# Altium PCB pcb.PcbDoc (continued)
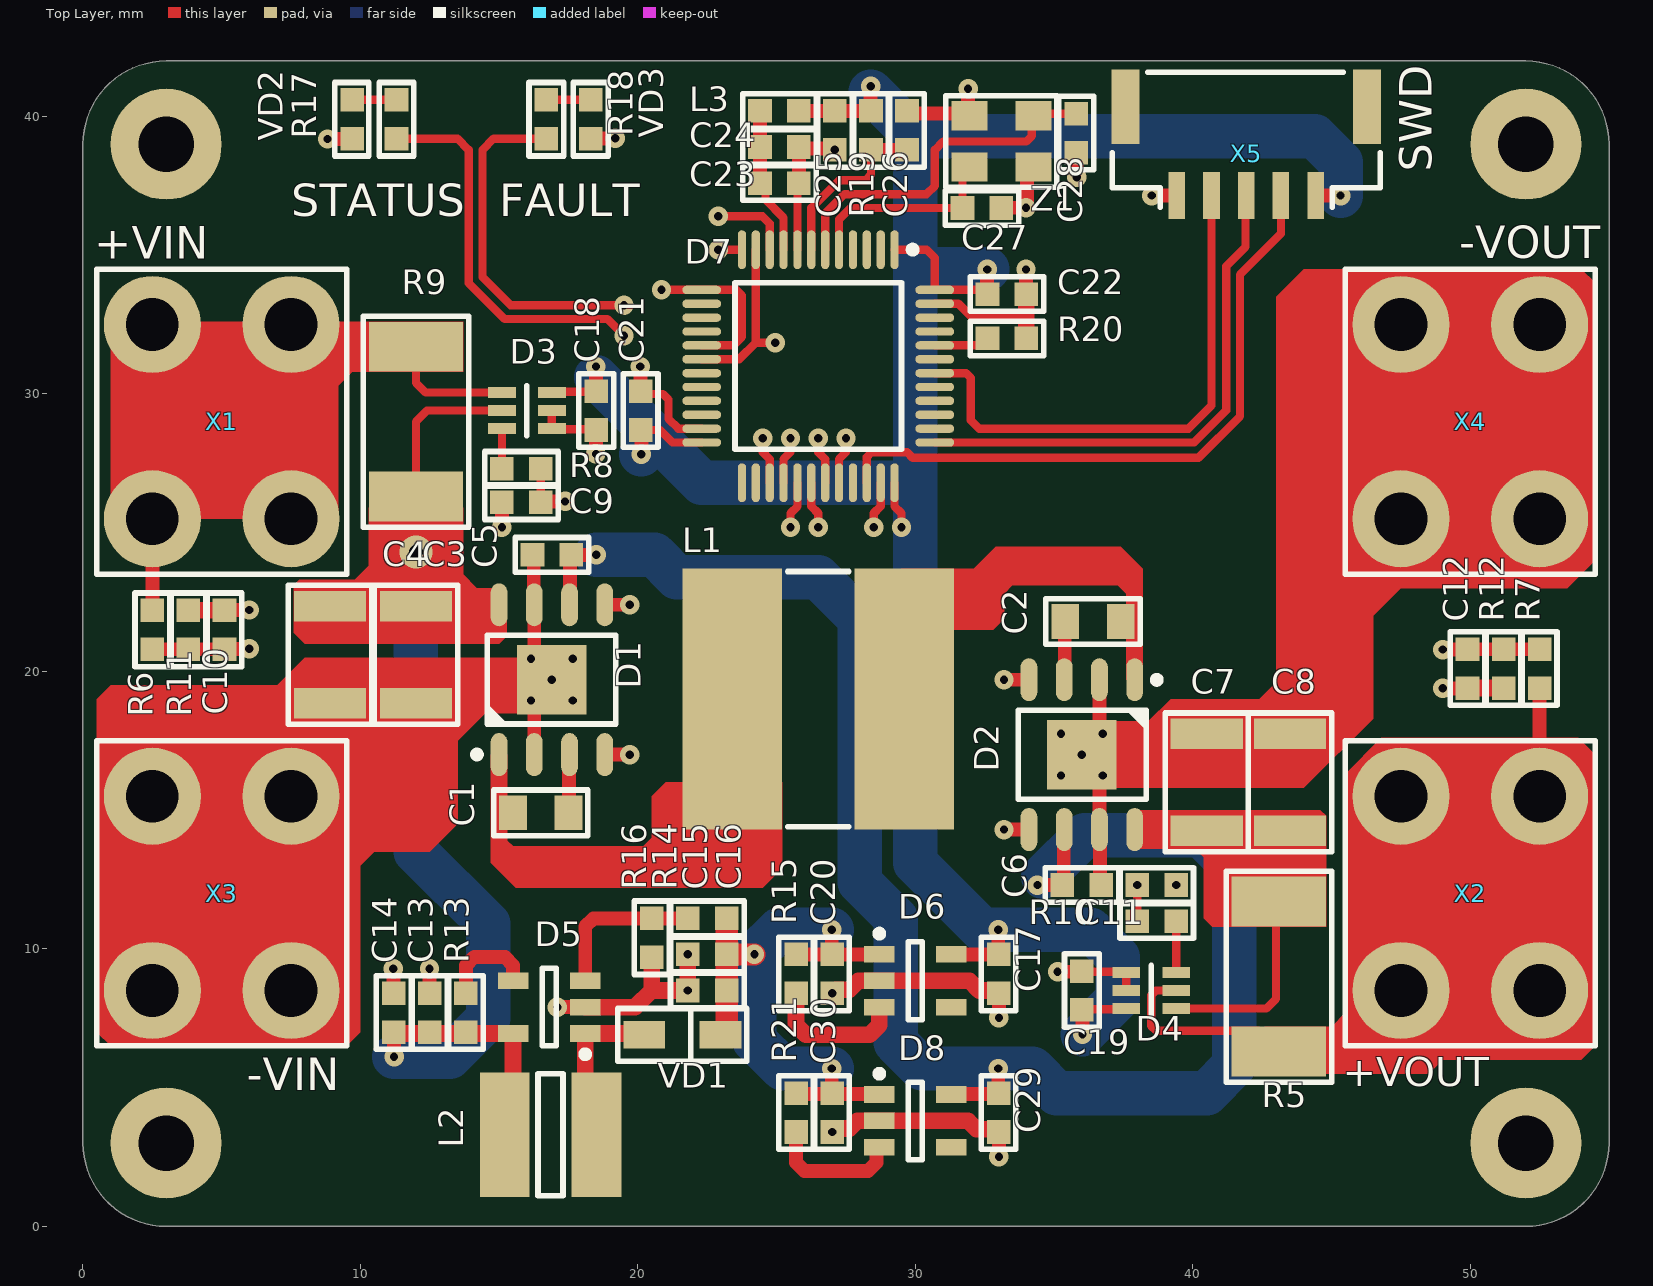
[diagram p0: Top Layer view]
## Components (designator, comment, footprint, x,y, rotation, side; value= is the part's Value field where it differs from the comment) (continued)
C25 "Ceramic capacitor, 1μF, X7R, ±10%, 25V, 603, -55...+125°C" "CAP: 0603" 27.1,39.5 r90 top value=1μF
C26 "Ceramic capacitor, 0.1μF, X7R, ±10%, 50V, 603, -55...+125°C" "CAP: 0603" 29.7,39.5 r270 top value=0.1μF
C27 "Ceramic capacitor, 12pF, NPO, ±10%, 50V, 603, -55...+125°C" "CAP: 0603" 32.4,36.7 r180 top value=12pF
C28 "Ceramic capacitor, 12pF, NPO, ±10%, 50V, 603, -55...+125°C" "CAP: 0603" 35.8,39.4 r90 top value=12pF
C29 "Ceramic capacitor, 0.1μF, X7R, ±10%, 50V, 603, -55...+125°C" "CAP: 0603" 33,4.1 r90 top value=0.1μF
C30 "Ceramic capacitor, 0.1μF, X7R, ±10%, 50V, 603, -55...+125°C" "CAP: 0603" 27,4.1 r90 top value=0.1μF
D1 "Half-bridge module, 2N channel, 200kHz, 15W, supply 4...20V, -40...+125°C, 8-SOIC-PAD" 8-SOIC-PAD 16.9,19.7 r90 top
D2 "Half-bridge module, 2N channel, 200kHz, 15W, supply 4...20V, -40...+125°C, 8-SOIC-PAD" 8-SOIC-PAD 36,17 r270 top
D3 "IC current monitor, ±1.5%, 50V/V, -0.3...+26V, -40...+125°C, SOT23-5" SC70-6#1 16,29.4 r180 top
D4 "IC current monitor, ±1.5%, 50V/V, -0.3...+26V, -40...+125°C, SOT23-5" SC70-6#2 38.5,8.5 r0 top
D5 "DC/DC boost converter, input 2.6...16V, 1.5MHz, output 3...29V, 0.5A, -40...+85°C, SOT23-5" SOT23-5 16.8,7.9 r180 top
D6 "Linear voltage regulator, input 4...24V, 0.5V, output 3.3V, 0.15A, -40...+85°C, SOT23-6" SOT23-5 30,8.85 r0 top
D7 "IC microcontroller, 32-Bit, Cortex-M4, 72MHz, 16KB, 12KB, 2...3.6V, -40...+85°C, 48-LQFP" 48-LQFP 26.5,31 r270 top locked
D8 "Linear voltage regulator, input 4...24V, 0.5V, output 5V, 0.15A, -40...+85°C, SOT23-6" SOT23-5 30,3.8 r0 top
L1 "Fixed inductor, 10μH, ±20%, SDR0805, 2.6A, -40...+125°C" "IND: SDR1006" 26.5,19 r180 top value=10μH
L2 "Fixed inductor, 10μH, ±20%, SDR0403, 1.15A, -40...+125°C" "IND: SDR0403" 18.5,3.3 r270 top value=10μH
L3 "Fixed inductor, 10μH, ±20%, 603, 50mA, -55...+125°C" "IND: 0603" 25.1,40.2 r180 top value=10μH
R5 "Resistor film, 0R015, ±1%, 2512, 2W, -55...+170°C" "RES: CSS2H (2512)" 43.1,9 r270 top value=0R015
R6 "Resistor film, 39k, ±1%, 603, 0.1W, -55...+125°C" "RES: 0603" 2.5,21.5 r90 top value=39k
R7 "Resistor film, 39k, ±1%, 603, 0.1W, -55...+125°C" "RES: 0603" 52.5,20.1 r270 top value=39k
R8 "Resistor film, 120R, ±5%, 603, 0.1W, -55...+125°C" "RES: 0603" 15.8,27.3 r0 top value=120R
R9 "Resistor film, 0R015, ±1%, 2512, 2W, -55...+170°C" "RES: CSS2H (2512)" 12,29 r270 top value=0R015
R10 "Resistor film, 120R, ±5%, 603, 0.1W, -55...+125°C" "RES: 0603" 38.7,11 r0 top value=120R
R11 "Resistor film, 10k, ±1%, 603, 0.1W, -55...+125°C" "RES: 0603" 3.8,21.5 r270 top value=10k
R12 "Resistor film, 10k, ±1%, 603, 0.1W, -55...+125°C" "RES: 0603" 51.2,20.1 r90 top value=10k
R13 "Resistor film, 10k, ±5%, 603, 0.1W, -55...+125°C" "RES: 0603" 13.8,7.7 r270 top value=10k
R14 "Resistor film, 110k, ±1%, 603, 0.1W, -55...+125°C" "RES: 0603" 22.5,11.1 r180 top value=110k
R15 "Resistor film, 10k, ±5%, 603, 0.1W, -55...+125°C" "RES: 0603" 25.7,9.1 r90 top value=10k
R16 "Resistor film, 10k, ±1%, 603, 0.1W, -55...+125°C" "RES: 0603" 20.5,10.4 r90 top value=10k
R17 "Resistor film, 1k, ±1%, 603, 0.1W, -55...+125°C" "RES: 0603" 11.3,39.9 r270 top value=1k
R18 "Resistor film, 1k, ±1%, 603, 0.1W, -55...+125°C" "RES: 0603" 16.7,39.9 r270 top value=1k
R19 "Resistor film, 10k, ±5%, 603, 0.1W, -55...+125°C" "RES: 0603" 28.4,39.5 r90 top value=10k
R20 "Resistor film, 10k, ±5%, 603, 0.1W, -55...+125°C" "RES: 0603" 33.3,32 r180 top value=10k
R21 "Resistor film, 10k, ±5%, 603, 0.1W, -55...+125°C" "RES: 0603" 25.7,4.1 r90 top value=10k
VD1 "Schottky diode, 60B160S1F-7, 1A, 650mV, 45pF, SOD-123F, -55...+150°C" "DIODE: SOD123F" 21.6,6.9 r0 top
VD2 "LED, 20mA, 3.2V, 603, -55...+150°C" "LED: 0603B" 9.7,39.9 r270 top
VD3 "LED, 20 mA, 2V, 603, -55...+150°C" "LED: 0603R" 18.3,39.9 r270 top
X1 "Power connector, 500V, 15A" "CON: 8191" 5,29 r0 top
X2 "Power connector, 500V, 15A" "CON: 8191" 50,12 r0 top
X3 "Power connector, 500V, 15A" "CON: 8191" 5,12 r0 top
X4 "Power connector, 500V, 15A" "CON: 8191" 50,29 r0 top
X5 "Connector, 5pin, 1.25mm, 50VDC, 1A" "CON: SM05B-GHS" 41.9,41.6 r180 top
Z1 "Crystal, 8MHz, 12pF, ±30ppm, case 3225, -40...+85°C" "OSC: 3225" 33.1,39.1 r0 top

## Footprints (in the part's own frame and the unit in brackets; to place one, negate y for a bottom-side part, rotate by r counter-clockwise, add the part's x,y. Pads: shape width x height; smd on the part's side, far side on the other; paste and mask are expansions set on the pad)
8-SOIC-PAD [mm] "pitch 1.27 mm, power pad"
  round 0.7 hole 0.3 mask+0.075: 0(-0.75,0.75) 0(-0.75,-0.75) 0(0,0) 0(0.75,0.75) 0(0.75,-0.75)
  rrect100% 1.55x0.6 smd: 1(-2.7,1.905) 2(-2.7,0.635) 3(-2.7,-0.635) 4(-2.7,-1.905) 5(2.7,-1.905) 6(2.7,-0.635) 7(2.7,0.635) 8(2.7,1.905)
  round 0.7 on Mech1: 28(-2.395,1.8)
  rect 2.5x2.5 smd: " 0"(0,0)
  silkscreen extent -2.82,-2.3 1.61,2.82, body extent -3,-2.45 3,2.45, height 1.75
48-LQFP [mm] "QFP, 48-Leads, Body 7x7mm, Pitch 0.5mm, IPC Medium Density"
  oval 1.4x0.3 smd: 1(-4.2,2.75) 2(-4.2,2.25) 3(-4.2,1.75) 4(-4.2,1.25) 5(-4.2,0.75) 6(-4.2,0.25) 7(-4.2,-0.25) 8(-4.2,-0.75) 9(-4.2,-1.25) 10(-4.2,-1.75) 11(-4.2,-2.25) 12(-4.2,-2.75) 25(4.2,-2.75) 26(4.2,-2.25) 27(4.2,-1.75) 28(4.2,-1.25) 29(4.2,-0.75) 30(4.2,-0.25) 31(4.2,0.25) 32(4.2,0.75) 33(4.2,1.25) 34(4.2,1.75) 35(4.2,2.25) 36(4.2,2.75)
  oval 0.3x1.4 smd: 13(-2.75,-4.2) 14(-2.25,-4.2) 15(-1.75,-4.2) 16(-1.25,-4.2) 17(-0.75,-4.2) 18(-0.25,-4.2) 19(0.25,-4.2) 20(0.75,-4.2) 21(1.25,-4.2) 22(1.75,-4.2) 23(2.25,-4.2) 24(2.75,-4.2) 37(2.75,4.2) 38(2.25,4.2) 39(1.75,4.2) 40(1.25,4.2) 41(0.75,4.2) 42(0.25,4.2) 43(-0.25,4.2) 44(-0.75,4.2) 45(-1.25,4.2) 46(-1.75,4.2) 47(-2.25,4.2) 48(-2.75,4.2)
  round 0.5 on Mech1: ""(-4,4)
  silkscreen extent -4.32,-3 3,3.53, body extent -4.5,-4.5 4.5,4.5, height 1.6
"CAP: 0603" [mm]
  rect 0.85x0.85 smd: 1(-0.7,0) 2(0.7,0)
  silkscreen extent -1.33,-0.63 1.33,0.63, body extent -0.8,-0.4 0.8,0.4, height 0.3
"CAP: 0805" [mm]
  rect 1x1.25 smd: 1(-1,0) 2(1,0)
  silkscreen extent -1.7,-0.82 1.7,0.82, body extent -1,-0.62 1,0.63, height 0.78
"CAP: 1210" [mm]
  rect 1.1x2.6 smd: 1(-1.75,0) 2(1.75,0)
  silkscreen extent -2.5,-1.5 2.5,1.5, body extent -2,-1.24 2,1.24, height 1.7
"CON: 8191" [mm]
  round 3.5 hole 1.9: 1(-2.5,-3.5) 1(-2.5,3.5) 1(2.5,-3.5) 1(2.5,3.5)
  silkscreen extent -4.5,-5.5 4.5,5.5, body extent -4,-4 4,4, height 7.05
"CON: SM05B-GHS" [mm]
  rect 1x2.7 smd: 0(-4.375,1.25) 0(4.325,1.25)
  rect 0.6x1.7 smd: 1(-2.525,4.45) 2(-1.275,4.45) 3(-0.025,4.45) 4(1.225,4.45) 5(2.475,4.45)
  round 0.5 on Mech1: ""(-4.3,4.45)
  round 0.5 on Top Overlay: ""(-3.6,4.65)
  silkscreen extent -4.85,0 4.8,4.88, body extent -4.75,0.03 4.75,4.88, height 4.35
"DIODE: SOD123F" [mm]
  rect 1.5x1 smd: 1(-1.375,0) 2(1.375,0)
  silkscreen extent -2.32,-0.95 2.32,0.95, body extent -1.87,-0.85 1.88,0.85, height 1.23
"IND: 0603" [mm]
  rect 0.85x0.85 smd: 1(-0.7,0) 2(0.7,0)
  silkscreen extent -1.33,-0.63 1.33,0.63, body extent -0.8,-0.4 0.8,0.4, height 0.8
"IND: SDR0403" [mm]
  rect 4.5x1.8 smd: 1(0,0) 2(0,-3.3)
  silkscreen extent -2.2,-2.1 2.2,-1.2, body extent -2.25,-3.9 2.25,0.6, height 3.5
"IND: SDR1006" [mm]
  rect 3.6x9.4 smd: 1(-3.1,0) 2(3.1,0)
  silkscreen extent -1.1,-4.6 1.1,4.6, body extent -4.9,-4.9 4.9,4.9, height 5.8
"LED: 0603B" [mm]
  rect 0.85x0.85 smd: 1(-0.7,0) 2(0.7,0)
  silkscreen extent -1.33,-0.63 1.33,0.6, body extent -0.8,-0.4 0.8,0.4, height 0.6
"LED: 0603R" [mm]
  rect 0.85x0.85 smd: 1(-0.7,0) 2(0.7,0)
  silkscreen extent -1.33,-0.63 1.33,0.63, body extent -0.8,-0.4 0.8,0.4, height 0.6
"OSC: 3225" [mm]
  rect 1.3x1.05 smd: 1(-1.15,-0.925) 2(1.15,-0.925) 3(1.15,0.925) 4(-1.15,0.925)
  round 0.5 on Top Overlay: ""(-2.5,-1.5)
  silkscreen extent -2,-1.65 2,1.65, body extent -1.6,-1.25 1.6,1.25, height 0.81
"RES: 0603" [mm]
  rect 0.85x0.85 smd: 1(-0.7,0) 2(0.7,0)
  silkscreen extent -1.33,-0.63 1.33,0.63, body extent -0.8,-0.4 0.8,0.4, height 0.44
"RES: CSS2H (2512)" [mm]
  rect 1.8x3.4 smd: 1(-2.7,0) 2(2.7,0)
  silkscreen extent -3.8,-1.9 3.8,1.9, body extent -3.18,-1.53 3.18,1.53, height 0.83
SC70-6#1 [mm] "SOT23, 5-Leads, Body 2,90x2,80mm, Pitch 0,95mm, IPC Medium Density"
  rect 1x0.4 smd: 1(-0.9,0.65) 2(-0.9,0) 3(-0.9,-0.65) 4(0.9,-0.65) 5(0.9,0) 6(0.9,0.65)
  round 0.5 on Mech1: ""(-0.7,0.6)
  silkscreen extent 0,-0.9 0,0.9, body extent -1.15,-1.05 1.15,1.05, height 1
SC70-6#2 [mm] "SOT23, 5-Leads, Body 2,90x2,80mm, Pitch 0,95mm, IPC Medium Density"
  rect 1x0.4 smd: 1(-0.9,0.65) 2(-0.9,0) 3(-0.9,-0.65) 4(0.9,-0.65) 5(0.9,0) 6(0.9,0.65)
  round 0.5 on Top Overlay: ""(-0.9,1.3)
  round 0.5 on Mech1: ""(-0.7,0.6)
  silkscreen extent 0,-0.9 0,0.9, body extent -1.15,-1.05 1.15,1.05, height 1
SOT23-5 [mm] "pitch 0.95 mm"
  rect 1.1x0.6 smd: 1(-1.3,0.95) 2(-1.3,0) 3(-1.3,-0.95) 4(1.3,-0.95) 5(1.3,0.95)
  round 0.5 on Mech1: ""(-1.1,1.1)
  silkscreen extent -1.43,-1.4 0.25,1.82, body extent -1.5,-1.5 1.5,1.5, height 1.3

## Part data
C1 C2: library part Ceramic_0805, Manufacturer=Samsung, Package=0805, PartNumber=CL21B474KAFNNNG, Temperature=-55...+125°C, Tolerance=±10%, TypeCapacitor="Ceramic capacitor", TypeDielectric=X7R, Voltage=25V, HelpURL=https://www.digikey.com/product-detail/en/samsung-electro-mechanics/CL21B474KAFNNNG/1276-6480-1-ND/5958108, ValueManufacturerPartNumber="Ceramic capacitor, 0.47μF, X7R, ±10%, 25V, 805, -55...+125°C"
C3 C4 C7 C8: library part Ceramic_1210, Manufacturer=Samsung, Package=1210, PartNumber=CL32B106KAJNNNE, Temperature=-55...+125°C, Tolerance=±10%, TypeCapacitor="Ceramic capacitor", TypeDielectric=X7R, Voltage=25V, HelpURL=https://www.digikey.com/product-detail/en/samsung-electro-mechanics/CL32B106KAJNNNE/1276-1807-1-ND/3889893, ValueManufacturerPartNumber="Ceramic capacitor, 10μF, X7R, ±10%, 25V, 1210, -55...+125°C"
C5 C6 C13 C14 C15 C16 C24 C25: library part Ceramic_0603, Manufacturer=Samsung, Package=0603, PartNumber=CL10B105KA8NNNC, Temperature=-55...+125°C, Tolerance=±10%, TypeCapacitor="Ceramic capacitor", TypeDielectric=X7R, Voltage=25V, HelpURL=https://www.digikey.com/product-detail/en/samsung-electro-mechanics/CL10B105KA8NNNC/1276-1184-1-ND/3889270, ValueManufacturerPartNumber="Ceramic capacitor, 1μF, X7R, ±10%, 25V, 603, -55...+125°C"
C9 C10 C11 C12 C23: library part Ceramic_0603, Manufacturer=Yageo, Package=0603, PartNumber=CL10B103KB8NNNC, Temperature=-55...+125°C, Tolerance=±10%, TypeCapacitor="Ceramic capacitor", TypeDielectric=X7R, Voltage=50V, HelpURL=https://www.digikey.com/product-detail/en/samsung-electro-mechanics/CL10B103KB8NNNC/1276-1009-1-ND/3889095, ValueManufacturerPartNumber="Ceramic capacitor, 0.01μF, X7R, ±10%, 50V, 603, -55...+125°C"
C17 C18 C19 C20 C21 C22 C26 C29 C30: library part Ceramic_0603, Manufacturer=Yageo, Package=0603, PartNumber=CL10B104KB8WPND, Temperature=-55...+125°C, Tolerance=±10%, TypeCapacitor="Ceramic capacitor", TypeDielectric=X7R, Voltage=50V, HelpURL=https://www.digikey.com/product-detail/en/samsung-electro-mechanics/CL10B104KB8WPND/1276-CL10B104KB8WPNDCT-ND/11488014, ValueManufacturerPartNumber="Ceramic capacitor, 0.1μF, X7R, ±10%, 50V, 603, -55...+125°C"
C27 C28: library part Ceramic_0603, Manufacturer=Samsung, Package=0603, PartNumber=CL10C120JB8NNNC, Temperature=-55...+125°C, Tolerance=±10%, TypeCapacitor="Ceramic capacitor", TypeDielectric=NPO, Voltage=50V, HelpURL=https://www.digikey.com/product-detail/en/samsung-electro-mechanics/CL10C120JB8NNNC/1276-1254-1-ND/3889340, ValueManufacturerPartNumber="Ceramic capacitor, 12pF, NPO, ±10%, 50V, 603, -55...+125°C"
D1 D2: library part PN7725, "Gate driver", CurrentOutput=15W, Frequency=200kHz, Manufacturer=Chipown, Package=8-SOIC-PAD, Temperature=-40...+125°C, VoltageSupply="supply 4...20V", VoltageWork="2N channel", ComponentType="Half-bridge module", HelpURL=http://chipown.com/product.asp?id=416, PartNumber=PN7725, ValueManufacturerPartNumber="Half-bridge module, 2N channel, 200kHz, 15W, supply 4...20V, -40...+125°C, 8-SOIC-PAD"
D3 D4: library part INA199A1DCKR, "Current monitor", Manufacturer="Texas Instruments", Package=SOT23-5, Temperature=-40...+125°C, Accuracy=±1.5%, ComponentType="IC current monitor", GainBandwidth=50V/V, HelpURL=https://www.digikey.com/product-detail/en/texas-instruments/INA199A1DCKR/296-27329-1-ND/2279290, PartNumber=INA199A1DCKR, Supply=-0.3...+26V, ValueManufacturerPartNumber="IC current monitor, ±1.5%, 50V/V, -0.3...+26V, -40...+125°C, SOT23-5"
D5: library part AP3012KTR-G1, "Boost converter", CurrentOutput=0.5A, Frequency=1.5MHz, Manufacturer="Diodes Incorporated", Package=SOT23-5, Temperature=-40...+85°C, VoltageInput="input 2.6...16V", VoltageOutput="output 3...29V", ComponentType="DC/DC boost converter", HelpURL=https://www.digikey.com/product-detail/en/diodes-incorporated/AP3012KTR-G1/AP3012KTR-G1DICT-ND/4505297, PartNumber=AP3012KTR-G1, ValueManufacturerPartNumber="DC/DC boost converter, input 2.6...16V, 1.5MHz, output 3...29V, 0.5A, -40...+85°C, SOT23-5"
D6: library part AP2204K-3.3TRG1, "Linear voltage regulator", CurrentOutput=0.15A, Manufacturer="Diodes Incorporated", Package=SOT23-6, Temperature=-40...+85°C, VoltageInput="input 4...24V", VoltageOutput="output 3.3V", ComponentType="Linear voltage regulator", HelpURL=https://www.digikey.com/product-detail/en/diodes-incorporated/AP2204K-3.3TRG1/AP2204K-3.3TRG1DICT-ND/4505288, MaxDropout=0.5V, PartNumber=AP2204K-3.3TRG1, ValueManufacturerPartNumber="Linear voltage regulator, input 4...24V, 0.5V, output 3.3V, 0.15A, -40...+85°C, SOT23-6"
D7: library part STM32F334C4T6, "Cortex-M4", Manufacturer=STMicroelectronics, Package=48-LQFP, Temperature=-40...+85°C, ComponentType="IC microcontroller", CoreProcessor=Cortex-M4, CoreSize=32-Bit, HelpURL=https://www.digikey.com/products/en?keywords=STM32F334C4T6, MemoryRAM=12KB, MemoryROM=16KB, PartNumber=STM32F334C4T6, Speed=72MHz, Supply=2...3.6V, ValueManufacturerPartNumber="IC microcontroller, 32-Bit, Cortex-M4, 72MHz, 16KB, 12KB, 2...3.6V, -40...+85°C, 48-LQFP"
D8: library part AP2204K-3.3TRG1, "Linear voltage regulator", CurrentOutput=0.15A, Manufacturer="Diodes Incorporated", Package=SOT23-6, PartNumber=AP2204K-5.0TRG1, Temperature=-40...+85°C, VoltageInput="input 4...24V", VoltageOutput="output 5V", ComponentType="Linear voltage regulator", HelpURL=https://www.digikey.com/product-detail/en/diodes-incorporated/AP2204K-5-0TRG1/AP2204K-5-0TRG1DICT-ND/4505289, MaxDropout=0.5V, ValueManufacturerPartNumber="Linear voltage regulator, input 4...24V, 0.5V, output 5V, 0.15A, -40...+85°C, SOT23-6"
L1: library part Inductor_SDR1006, Manufacturer=Bourns, MaxCurrent=2.6A, Package=SDR0805, PartNumber=SDR1006-100ML, Temperature=-40...+125°C, Tolerance=±20%, TypeInductor="Fixed inductor", HelpURL=https://www.digikey.com/product-detail/en/bourns-inc/SDR1006-100ML/SDR1006-100MLCT-ND/2127202, ValueManufacturerPartNumber="Fixed inductor, 10μH, ±20%, SDR0805, 2.6A, -40...+125°C"
L2: library part Inductor_SDR0403, Manufacturer=Bourns, MaxCurrent=1.15A, Package=SDR0403, PartNumber=SDR0403-100ML, Temperature=-40...+125°C, Tolerance=±20%, TypeInductor="Fixed inductor", HelpURL=https://www.digikey.com/product-detail/en/bourns-inc/SDR0403-100ML/SDR0403-100MLCT-ND/2127080, ValueManufacturerPartNumber="Fixed inductor, 10μH, ±20%, SDR0403, 1.15A, -40...+125°C"
L3: library part Inductor_0603, Manufacturer="Murata Electronics", MaxCurrent=50mA, Package=0603, PartNumber=LQM18FN100M00D, Temperature=-55...+125°C, Tolerance=±20%, TypeInductor="Fixed inductor", HelpURL=https://www.digikey.com/product-detail/en/murata-electronics-north-america/LQM18FN100M00D/490-4025-1-ND/1016285, ValueManufacturerPartNumber="Fixed inductor, 10μH, ±20%, 603, 50mA, -55...+125°C"
R5 R9: library part Shunt, Manufacturer=Yageo, Package=2512, PartNumber=PE2512FKE7W0R015L, Power=2W, Temperature=-55...+170°C, Tolerance=±1%, TypeResistor="Resistor film", HelpURL=https://www.digikey.com/product-detail/en/yageo/PE2512FKE7W0R015L/YAG2165CT-ND/5139613, ValueManufacturerPartNumber="Resistor film, 0R015, ±1%, 2512, 2W, -55...+170°C"
R6 R7: library part Resistor_0603, Manufacturer=Yageo, Package=0603, PartNumber=RC0603FR-0739KL, Power=0.1W, Temperature=-55...+125°C, Tolerance=±1%, TypeResistor="Resistor film", HelpURL=https://www.digikey.com/product-detail/en/yageo/RC0603FR-0739KL/311-39-0KHRCT-ND/730142, ValueManufacturerPartNumber="Resistor film, 39k, ±1%, 603, 0.1W, -55...+125°C"
R8 R10: library part Resistor_0603, Manufacturer=Yageo, Package=0603, PartNumber=RC0603JR-07120RL, Power=0.1W, Temperature=-55...+125°C, Tolerance=±5%, TypeResistor="Resistor film", HelpURL=https://www.digikey.com/product-detail/en/yageo/RC0603JR-07120RL/311-120GRCT-ND/729653, ValueManufacturerPartNumber="Resistor film, 120R, ±5%, 603, 0.1W, -55...+125°C"
R11 R12 R16: library part Resistor_0603, Manufacturer=Yageo, Package=0603, PartNumber=RC0603FR-0710KL, Power=0.1W, Temperature=-55...+125°C, Tolerance=±1%, TypeResistor="Resistor film", HelpURL=https://www.digikey.com/product-detail/en/yageo/RC0603FR-0710KL/311-10-0KHRCT-ND/729827, ValueManufacturerPartNumber="Resistor film, 10k, ±1%, 603, 0.1W, -55...+125°C"
R13 R15 R19 R20 R21: library part Resistor_0603, Manufacturer=Yageo, Package=0603, PartNumber=RC0603JR-0710KL, Power=0.1W, Temperature=-55...+125°C, Tolerance=±5%, TypeResistor="Resistor film", HelpURL=https://www.digikey.com/product-detail/en/yageo/RC0603JR-0710KL/311-10KGRCT-ND/729647, ValueManufacturerPartNumber="Resistor film, 10k, ±5%, 603, 0.1W, -55...+125°C"
R14: library part Resistor_0603, Manufacturer=Yageo, Package=0603, PartNumber=RC0603FR-07110KL, Power=0.1W, Temperature=-55...+125°C, Tolerance=±1%, TypeResistor="Resistor film", HelpURL=https://www.digikey.com/product-detail/en/yageo/RC0603FR-07110KL/311-110KHRCT-ND/729852, ValueManufacturerPartNumber="Resistor film, 110k, ±1%, 603, 0.1W, -55...+125°C"
R17 R18: library part Resistor_0603, Manufacturer=Yageo, Package=0603, PartNumber=RC0603FR-071KL, Power=0.1W, Temperature=-55...+125°C, Tolerance=±1%, TypeResistor="Resistor film", HelpURL=https://www.digikey.com/product-detail/en/yageo/RC0603FR-071KL/311-1-00KHRCT-ND/729790, ValueManufacturerPartNumber="Resistor film, 1k, ±1%, 603, 0.1W, -55...+125°C"
VD1: library part Schottky_single, Current=1A, Manufacturer="Diodes Incorporated", Package=SOD-123F, PartNumber=B160S1F-7, Temperature=-55...+150°C, Voltage=60B160S1F-7, VoltageDrop=650mV, HelpURL=https://www.digikey.com/product-detail/en/diodes-incorporated/B160S1F-7/B160S1F-7DICT-ND/7784161, RecoveryTime=45pF, TypeDiode="Schottky diode", ValueManufacturerPartNumber="Schottky diode, 60B160S1F-7, 1A, 650mV, 45pF, SOD-123F, -55...+150°C"
VD2: library part LED_single, Color=BLUE, Current=20mA, Manufacturer=Wurth, Package=0603, PartNumber=150060BS75000, Temperature=-55...+150°C, VoltageDrop=3.2V, HelpURL=https://www.digikey.com/product-detail/en/w-rth-elektronik/150060BS75000/732-4966-1-ND/4489893, TypeDiode=LED, ValueManufacturerPartNumber="LED, 20mA, 3.2V, 603, -55...+150°C"
VD3: library part LED_single, Color=RED, Current="20 mA", Manufacturer=Wurth, Package=0603, PartNumber=150060RS75000, Temperature=-55...+150°C, VoltageDrop=2V, HelpURL=https://www.digikey.com/product-detail/en/w-rth-elektronik/150060RS75000/732-4978-1-ND/4489899, TypeDiode=LED, ValueManufacturerPartNumber="LED, 20 mA, 2V, 603, -55...+150°C"
X1 X2 X3 X4: library part Connector_single_power, CurrentMax=15A, Manufacturer=Keystone, PartNumber=8191, VoltageMax=500V, HelpURL=https://ru.mouser.com/ProductDetail/Keystone-Electronics/8191?qs=lQmX4aIt5iAMQ8PQTpZ%2Fwg%3D%3D, TypeConnector="Power connector", ValueManufacturerPartNumber="Power connector, 500V, 15A"
  X1 X3: CommentText="\"Вход\""
  X2 X4: CommentText="\"Выход\""
X5: library part Connector_SM05B, CurrentMax=1A, Manufacturer=JST, PartNumber=SM05B-GHS, VoltageMax=50VDC, CommentText="\"Разъем\"", HelpURL=https://www.digikey.com/product-detail/en/jst-sales-america-inc/SM05B-GHS-TB-LF-SN/455-1567-1-ND/807835, Multichannel=5pin, Pitch=1.25mm, TypeConnector=Connector, ValueManufacturerPartNumber="Connector, 5pin, 1.25mm, 50VDC, 1A"
Z1: library part Crystal_3225, Frequency=8MHz, LoadCapacitance=12pF, Manufacturer=ECS, Package="case 3225", PartNumber=ECS-80-12-33-JGN-TR, Temperature=-40...+85°C, Tolerance=±30ppm, HelpURL=https://www.digikey.com/product-detail/en/ecs-inc/ECS-80-12-33-JGN-TR/50-ECS-80-12-33-JGN-CT-ND/10478769, TypeOscilator=Crystal, ValueManufacturerPartNumber="Crystal, 8MHz, 12pF, ±30ppm, case 3225, -40...+85°C"

## Free pads (board coordinates)
  round 4 hole 2 mask+0.075: MH(3,3) MH(3,39) MH(52,3) MH(52,39)

## Via types
v1: diameter 0.7, hole 0.3, Top Layer to Bottom Layer, tented both sides, 60 vias
v2: diameter 1.2, hole 0.5, Top Layer to Bottom Layer, tented both sides, 1 vias

## Nets (pads, with @x,y where several pads share a name; then routed paths per layer and width w, separated by ;. In a path a pad name is that pad's centre, name@x,y a point inside that pad or via, vN(x,y) a via of type N, cw(c..) or ccw(c..) an arc to the next point about the centre after c; other vN are vias at no path point)
+3.3V: C17.2 C18.2 C19.2 C21.2 C22.2 C25.2 D3.3 D4.3 D6.5 D7.1 D7.24 D7.36 D7.48 L3.1 R19.2 X5.1 | length 96.6
  Top Layer w0.3: D3.3 16.925,30.075 18.475,30.075 18.488,30.088 C18.2 ; C21.2 20.125,28.7 20.8,28.7 21.25,28.25 D7.24 ; D7.36 29.25,25.95 29.5,25.7 v1(29.5,25.2) ; D7.1 30.4,35.2 30.7,34.9 D7.48 32.45,33.75 32.587,33.612 C22.2 ; C19.2 36.025,7.825 37.575,7.825 D4.3
  Top Layer w0.5: C18.2@18.488,30.088 v1(18.488,30.987) ; v1(20.125,27.825) C21.2@20.125,28.7 ; L3.1 R19.2@28.387,40.2 ; R19.2@28.387,40.188 R19.2@28.387,40.2 ; v1(28.387,41.088) R19.2@28.387,40.2 ; R19.2 R19.2@28.387,40.2 ; D6.5 C17.2@32.988,9.8 ; C22.2@32.587,33.587 32.587,33.612 v1(32.587,34.487) ; C17.2@32.988,9.788 C17.2@32.988,9.8 ; v1(32.988,10.687) C17.2@32.988,9.8 ; C17.2 C17.2@32.988,9.8 ; v1(36.025,6.925) C19.2@36.025,7.825 ; X5.1 v1(45.325,37.15)
  Bottom Layer w1.6: 18.5,30.6 20.7,28.4 ; v1(20.125,27.825) 20.7,28.4 ; v1@28.387,40.9 30,39.287 ; v1(32.587,34.487) 30.187,34.487 30,34.3 ; v1(36.025,6.925) 37.3,8.2 37.3,9.7 36.313,10.687 v1(32.988,10.687) 32.413,10.687 30,13.1 30,25.2 30,26.6 ; v1(45.325,37.15) 45.325,38.35 44.388,39.287 30,39.287 ; 20.7,28.4 22.3,26.8 29.8,26.8 30,26.6 ; 30,26.6 30,34.3 ; 30,34.3 30,39.287
+5V: C5.2 C6.2 C29.2 D1.6 D2.6 D8.5 | length 63
  Top Layer w0.5: D1.6 17.554,22.419 17.554,24.154 C5.2 v1(18.5,24.2) ; D8.5 31.325,4.775 32.975,4.775 C29.2@32.987,4.788 ; v1(32.987,5.687) C29.2@32.987,4.788 ; C29.2 C29.2@32.987,4.788 ; v1(34.4,12.3) C6.2 35.346,12.346 35.346,14.281 D2.6
  Bottom Layer w1.6: v1(18.5,24.2) 20.6,24.2 21.4,23.4 26.5,23.4 28,21.9 28,12.4 29.3,11.1 29.3,6.625 30.237,5.687 34.213,5.687 35.1,4.8 40.5,4.8 41.5,5.8 41.5,12.9 40.3,14.1 36.1,14.1 34.6,12.6
+15V: C15.2 C16.2 C20.2 C30.2 D6.1 D8.1 R14.1 R15.2 R21.2 VD1.2 | length 22.7
  Top Layer w0.5: R21.2 25.725,4.775 28.675,4.775 D8.1 ; R15.2 C20.2@26.987,9.8 ; C30.2@26.987,4.788 v1(26.987,5.687) ; C20.2@26.987,9.788 C20.2@26.987,9.8 ; v1(26.987,10.687) C20.2@26.987,9.8 ; D6.1 C20.2 C20.2@26.987,9.8
  Top Layer w0.8: VD1.2 23.1,6.9 23.2,7 C16.2 C15.2 ; C15.2@23.188,9.812 C15.2 ; R14.1 C15.2 ; v1(24.2,9.8) C15.2
  Bottom Layer w1.6: v1(26.987,5.687) 25.212,5.687 24.2,6.7 v1(24.2,9.8) 25.087,10.687 v1(26.987,10.687)
+VIN: C3.2 C4.2 C13.2 C14.2 D1.8 D3.5 D5.5 L2.2 R9.2 R13.2 | length 36.8
  Top Layer w0.3: R9.2 12,29 12.4,29.4 D3.5
  Top Layer w0.5: v1(11.212,6.112) 11.212,6.987 C14.2@11.212,7.012
  Top Layer w0.6: C14.2 11.212,6.987 11.25,6.95 D5.5 15.5,3.6 L2.2
  Bottom Layer w1.6: v1(11.212,6.112) 13.212,6.112 14.6,7.5 14.6,10.9 12,13.5 v2(12,24.3)
+VOUT: C7.2 C8.2 D2.8 D4.4 R5.1 | length 7.3
  Top Layer w0.3: D4.4 42.65,7.85 43,8.2 43,11.6 R5.1
GND: "D1. 0" "D2. 0" C3.1 C4.1 C5.1 C6.1 C7.1 C8.1 C9.1 C10.1 C11.1 C12.1 C13.1 C14.1 C15.1 C16.1 C17.1 C18.1 C19.1 C20.1 C21.1 C22.1 C23.1 C24.1 C25.1 C26.1 C27.1 C28.1 C29.1 C30.1 D1.0 D1.2 D1.7 D2.0 D2.2 D2.7 D3.1 D3.2 D4.1 D4.2 D5.2 D6.2 D7.8 D7.23 D7.35 D7.47 D8.2 R11.1 R12.1 R16.1 R20.1 VD2.2 VD3.2 X3.1 X4.1 X5.5 Z1.2 Z1.4 | length 79.1
  Top Layer w0.3: D3.2 D3.1 16.925,28.725 18.475,28.725 C18.1 ; C21.1 20.2,30 20.9,30 21.104,29.796 21.104,29.104 21.457,28.75 D7.23 ; D7.8 C23.1@25.75,37.55 ; v1(28.5,25.2) 28.5,25.7 28.75,25.95 D7.35 ; D7.47 31.55,33.25 32,32.8 34,32.8 ; C19.1 36.025,9.175 37.575,9.175 D4.1 D4.2
  Top Layer w0.5: C10.1@5.088,22.213 v1(5.987,22.213) ; v1(8.813,39.187) VD2.2@9.713,39.187 ; C14.1@11.188,8.387 v1(11.188,9.287) ; C13.1@12.488,8.387 v1(12.488,9.287) ; v1(15.1,25.2) C9.1 ; C5.1 16.246,24.154 16.246,22.419 D1.7 16.265,20.335 D1.0@16.9,19.7 ; C5.1@16.254,24.154 C5.1@16.3,24.2 ; D1.2 16.265,19.065 D1.0@16.9,19.7 ; v1(17.1,7.9) D5.2 D5.2@18.113,7.888 ; D1.0@17.535,20.335 D1.0@16.9,19.7 ; VD3.2@18.287,39.212 v1(19.187,39.212) ; v1(18.488,27.837) C18.1@18.488,28.737 ; C21.1@20.088,30.088 v1(20.088,30.987) ; C23.1@25.75,37.55 C23.1 C24.1 25.85,38.85 27.05,38.85 v1(27.1,38.8) ; C26.1 29.787,40.113 31.838,40.113 31.9,40.05 v1(31.9,41) ; v1(33.012,2.512) C29.1@33.012,3.412 ; v1(33.012,7.512) C17.1@33.012,8.412 ; C27.1@33.088,36.712 v1(33.988,36.712) 34.026,36.751 34.026,37.951 Z1.2 ; C22.1@33.988,33.587 v1(33.988,34.487) ; v1(35.125,9.175) C19.1@36.025,9.175 ; D2.0@35.365,16.365 D2.0@36,17 ; v1(35.812,37.812) C28.1@35.812,38.712 ; D2.2 36.635,17.635 D2.0@36,17 ; C6.1 36.654,12.346 36.654,14.281 D2.7 36.635,16.365 D2.0@36,17 ; v1(38.525,37.15) X5.5 ; v1(49.013,19.387) C12.1@49.912,19.387
  Top Layer w0.6: R11.1 C10.1 ; D5.2 19.9,7.9 20.5,8.5 ; R16.1 20.5,8.5 ; v1(21.8,9.8) v1(21.8,8.5) 20.5,8.5 ; v1(27,3.4) 27.125,3.525 27.625,3.525 27.9,3.8 D8.2 31.907,3.8 32.204,3.504 32.896,3.504 C29.1 ; v1(27,8.4) 27.125,8.525 27.625,8.525 27.95,8.85 D6.2 31.95,8.85 32.3,8.5 32.9,8.5 C17.1 ; R20.1 34,32.8 C22.1 ; C12.1 R12.1
  other v1: 39.4,12.3
LED0: D7.28 R17.2 | length 26.1
  Top Layer w0.3: R17.2 13.5,39.2 13.9,38.8 13.9,34 15.2,32.7 18.9,32.7 v1(19.5,32.1) ; D7.28 25.25,27.65 25.5,27.9 v1(25.5,28.4)
  MID2 w0.5: v1(19.5,32.1) 19.538,32.062 20.238,32.062 21,31.3 21,28.4 22,27.4 25.1,27.4 25.5,27.8 v1(25.5,28.4)
LED1: D7.27 R18.2 | length 23
  Top Layer w0.3: R18.2 14.8,39.2 14.4,38.8 14.4,34.207 15.407,33.2 v1(19.5,33.2) ; v1(24.5,28.4) 24.5,27.9 24.75,27.65 D7.27
  MID2 w0.5: v1(19.5,33.2) 19.538,33.162 20.238,33.162 21.7,31.7 21.7,28.8 22.1,28.4 v1(24.5,28.4)
NetC1_1: C1.1 D1.1 L1.2
NetC1_2: C1.2 D1.3 | length 2.1
  Top Layer w0.5: C1.2 17.518,14.918 17.518,16.983 D1.3
NetC2_1: C2.1 D2.1 L1.1
NetC2_2: C2.2 D2.3 | length 2.1
  Top Layer w0.5: D2.3 35.382,19.717 35.382,21.782 C2.2
NetC9_2: C9.2 D7.11 D7.18 R8.2 | length 26.1
  Top Layer w0.3: C9.2 R8.2 ; D7.18 23.65,31.25 24.25,31.85 ; D7.11 24.25,31.85 ; v1(24.95,31.85) 24.25,31.85
  Top Layer w0.5: C9.2@16.475,26.125 v1(17.375,26.125)
  MID2 w0.5: v1(17.375,26.125) 17.375,33.963 18.112,34.7 21.7,34.7 22.5,33.9 24.4,33.9 24.95,33.35 v1(24.95,31.85)
NetC10_2: C10.2 D7.10 R6.1 R11.2 | length 36.3
  Top Layer w0.3: v1(22.9,36.4) 24.493,36.4 24.75,36.143 D7.10
  Top Layer w0.5: R6.1 R11.2 C10.2 ; C10.2@5.088,20.812 v1(5.987,20.812)
  MID2 w0.5: v1(5.987,20.812) 14.212,20.812 16.5,23.1 16.5,34.2 17.8,35.5 22,35.5 v1(22.9,36.4)
NetC11_2: C11.2 D7.13 D7.17 R10.1 | length 43.8
  Top Layer w0.3: v1(20.85,33.75) D7.13 23.55,33.75 23.75,33.55 23.75,32.057 23.443,31.75 D7.17 ; R10.1 38,12.275 v1(38,12.3)
  Top Layer w0.5: C11.2@38,12.275 C11.2@38.025,12.275
  MID2 w0.5: v1(20.85,33.75) 23.6,31 37.1,31 38,30.1 v1(38,12.3)
NetC12_2: C12.2 D7.12 R7.1 R12.2 | length 42.9
  Top Layer w0.3: v1(22.9,35.2) D7.12
  Top Layer w0.5: v1(49.013,20.788) C12.2@49.912,20.788 ; C12.2 R12.2 R7.1
  MID2 w0.5: v1(22.9,35.2) 25.2,35.2 25.9,34.5 25.9,32.7 26.5,32.1 37.6,32.1 39,30.7 39,21.5 39.713,20.788 v1(49.013,20.788)
NetC23_2: C23.2 C24.2 D7.9 L3.2 | length 5.6
  Top Layer w0.3: C23.2 24.6,37.4 24.6,37 25.25,36.35 D7.9 ; L3.2 L3.2@24.6,40.4
  Top Layer w0.5: C23.2 L3.2
NetC26_2: C26.2 D7.7 R19.1 | length 6.3
  Top Layer w0.3: D7.7 26.25,36.705 27.245,37.7 28.2,37.7 28.4,37.9 R19.1
  Top Layer w0.5: R19.1 C26.2
NetC27_2: C27.2 D7.5 Z1.1 | length 7.3
  Top Layer w0.3: D7.5 27.25,36.291 27.659,36.7 C27.2 31.7,37.925 Z1.1
NetC28_2: C28.2 D7.6 Z1.3 | length 13
  Top Layer w0.3: D7.6 26.75,36.498 27.452,37.2 30.4,37.2 30.7,37.5 30.7,38.8 31,39.1 34,39.1 34.2,39.3 34.2,39.975 Z1.3 34.325,40.1 C28.2
NetD1_4: D1.4 D7.29 | length 16.2
  Top Layer w0.3: v1(25.5,25.2) 25.5,25.7 25.75,25.95 D7.29
  Top Layer w0.5: D1.4 v1(19.705,17)
  MID2 w0.5: v1(19.705,17) 24.8,17 25.5,17.7 v1(25.5,25.2)
NetD1_5: D1.5 D7.30 | length 13.1
  Top Layer w0.3: D7.30 26.25,25.95 26.5,25.7 v1(26.5,25.2)
  Top Layer w0.5: D1.5 v1(19.705,22.4)
  MID2 w0.5: v1(19.705,22.4) 23.9,22.4 24.6,23.1 24.6,25.6 25.1,26.1 26.169,26.1 26.462,25.807 26.462,25.238 v1(26.5,25.2)
NetD2_4: D2.4 D7.31 | length 18.5
  Top Layer w0.3: v1(26.5,28.4) 26.5,27.9 26.75,27.65 D7.31
  Top Layer w0.5: v1(33.195,19.7) D2.4
  MID2 w0.5: v1(26.5,28.4) 26.538,28.438 26.538,28.938 27,29.4 31.1,29.4 33.195,27.305 v1(33.195,19.7)
NetD2_5: D2.5 D7.32 | length 21
  Top Layer w0.3: D7.32 27.25,27.65 27.5,27.9 v1(27.5,28.4)
  Top Layer w0.5: v1(33.195,14.3) D2.5
  MID2 w0.5: v1(27.5,28.4) 30.8,28.4 32.2,27 32.2,15.295 v1(33.195,14.3)
NetD3_4: D3.4 R6.2 R9.1 X1.1 | length 8
  Top Layer w0.3: X1.1@2.5,25.1 X1.1@2.5,25.5 ; R9.1@11.9,31.6 R9.1 12,30.4 12.35,30.05 D3.4
  Top Layer w0.5: R6.2 X1.1@2.5,25.1
NetD3_6: D3.6 R8.1 | length 1.4
  Top Layer w0.3: R8.1 D3.6
NetD4_5: D4.5 R5.2 R7.2 X2.1 | length 11
  Top Layer w0.3: D4.5 38.676,8.5 38.5,8.324 38.5,7.226 38.676,7.05 42.35,7.05 R5.2
  Top Layer w0.5: X2.1@52.5,15.5 R7.2
NetD4_6: D4.6 R10.2 | length 1.9
  Top Layer w0.3: D4.6 R10.2
NetD5_1: D5.1 L2.1 VD1.1 | length 6
  Top Layer w0.6: L2.1 18.1,3.7 D5.1 20.175,6.95 VD1.1
NetD5_3: D5.3 R14.2 R16.2 | length 5.8
  Top Layer w0.5: D5.3 18.1,10.8 18.4,11.1 R16.2 R14.2
NetD5_4: D5.4 R13.1 | length 3.5
  Top Layer w0.5: R13.1 13.8,9.4 14.1,9.7 15.207,9.7 15.5,9.407 D5.4
NetD6_3: D6.3 R15.1 | length 5.1
  Top Layer w0.6: R15.1 25.7,7.251 26.051,6.9 28.349,6.9 28.7,7.251 D6.3
NetD7_34: D7.34 X5.2 | length 23.7
  Top Layer w0.3: D7.34 28.25,27.724 28.426,27.9 29.7,27.9 29.9,27.7 40.207,27.7 41.7,29.193 41.7,34.3 43.175,35.775 X5.2
NetD7_37: D7.37 X5.3 | length 19
  Top Layer w0.3: D7.37 40.05,28.25 41.2,29.4 41.2,34.6 41.9,35.3 41.9,37.125 X5.3
NetD7_44: D7.44 R20.2 | length 2
  Top Layer w0.3: D7.44 32.35,31.75 R20.2
NetD8_3: D8.3 R21.1 | length 4.9
  Top Layer w0.5: R21.1 25.7,2.3 26,2 28.3,2 28.6,2.3 28.6,2.8 28.65,2.85 D8.3
NetR17_1: R17.1 VD2.1 | length 1.6
  Top Layer w0.3: VD2.1 R17.1
NetR18_1: R18.1 VD3.1 | length 1.6
  Top Layer w0.3: R18.1 VD3.1
UART1-TX: D7.42 X5.4 | length 19.6
  Top Layer w0.3: D7.42 31.824,30.75 32,30.574 32,29.05 32.3,28.75 39.843,28.75 40.675,29.582 X5.4
pads on no net: D1.28 D2.28 D3. D4. D5. D6. D6.4 D7. D7.2 D7.3 D7.4 D7.14 D7.15 D7.16 D7.19 D7.20 D7.21 D7.22 D7.25 D7.26 D7.33 D7.38 D7.39 D7.40 D7.41 D7.43 D7.45 D7.46 D8. D8.4 X5. X5.0 Z1.

## Polygon pours and split planes (outlines as drawn)
GND on MID1 "GND-MID" (solid, pour order 0): 0,0 0,42 55,42 55,0

## Other copper
Top Layer:
  region net NetC2_1: 37.6,19.7 37.6,22.8 37.3,23.1 33.5,23.1 33.2,22.8 33.2,21.9 32.8,21.5 31,21.5 31,21.8 29.3,23.5 29.5,23.7 32.1,23.7 32.9,24.5 37.4,24.5 38.2,23.7 38.2,19.7
  region net NetC1_1: 15.3,17 15.3,13.9 15.5,13.7 20.2,13.7 20.5,14 20.5,15.5 21,16 25.2,16 25.2,12.9 24.5,12.2 15.6,12.2 14.7,13.1 14.7,17
  region net NetD4_5: 42.6,7.2 45,7.2 45.5,7.7 45.5,16.3 46.8,17.6 53.9,17.6 54.5,17 54.5,6.5 54,6 49,6 48.5,5.5 42.6,5.5
  region net GND: 36.6,15.8 44,15.8 46.5,18.3 46.5,22 47.5,23 53.5,23 54.5,24 54.5,34 54,34.5 44,34.5 43,33.5 43,19.6 42.4,19 39.2,19 38.4,18.2 36.8,18.2
  region net +VOUT: 37.9,15 44.6,15 44.8,14.8 44.8,10.8 40.7,10.8 40.4,11.1 40.4,13.3 40.1,13.6 37.9,13.6
  region net NetD3_4: 13.7,30.8 9.7,30.8 9.2,30.3 9.2,25.4 9.1,25.5 1,25.5 1,32.6 13.7,32.6
  region net GND: 18.1,18.5 14.5,18.5 13.5,17.5 13.5,14.5 12.5,13.5 10.5,13.5 10,13 10,7 9.5,6.5 1,6.5 0.5,7 0.5,19 1,19.5 7,19.5 8,20.5 18.1,20.5
  region net +VIN: 15.275,22.475 15.275,21.275 15,21 8,21 7.6,21.4 7.6,23.1 7.8,23.3 9.8,23.3 10.3,23.8 10.3,25.9 13.7,25.9 13.7,23.5 14.2,23 15.2,23
MID1:
  pour cut-out: 6,6 0,6 0,0 6,0
  pour cut-out: 6,42 0,42 0,36 6,36
  pour cut-out: 55,42 49,42 49,36 55,36
  pour cut-out: 55,6 49,6 49,0 55,0

## Silkscreen, mask and mechanical layers (free items; w line width, h text height)
Top Overlay:
  text "SWD" at 49,38 h2 r90
  text "STATUS" at 7.5,36 h2
  text "FAULT" at 15,36 h2
  text "-VOUT" at 49.6,34.5 h2
  text "+VIN" at 0.414,34.483 h2
  text "+VOUT" at 45.4,4.715 h1.8
  text "-VIN" at 5.9,4.5 h2
Border:
  the board outline again, w0.2

## Dimensions
0,0 to 0,42 on Size
0,42 to 55,42 on Size